# Altium PCB DIOT_8ch_isoSPI.PcbDoc (part 4 of 5)
Units mm, origin at the board's own origin, x right, y up, seen from the top; angles counter-clockwise.
Board outline 222.37 x 100 mm, 4 copper layers (L1, P2, P3, L4), stack 1.512 mm thick; 416 components, 332 nets, 1541 pads, 671 vias.
Unrouted connection lines stored in the file: 9.
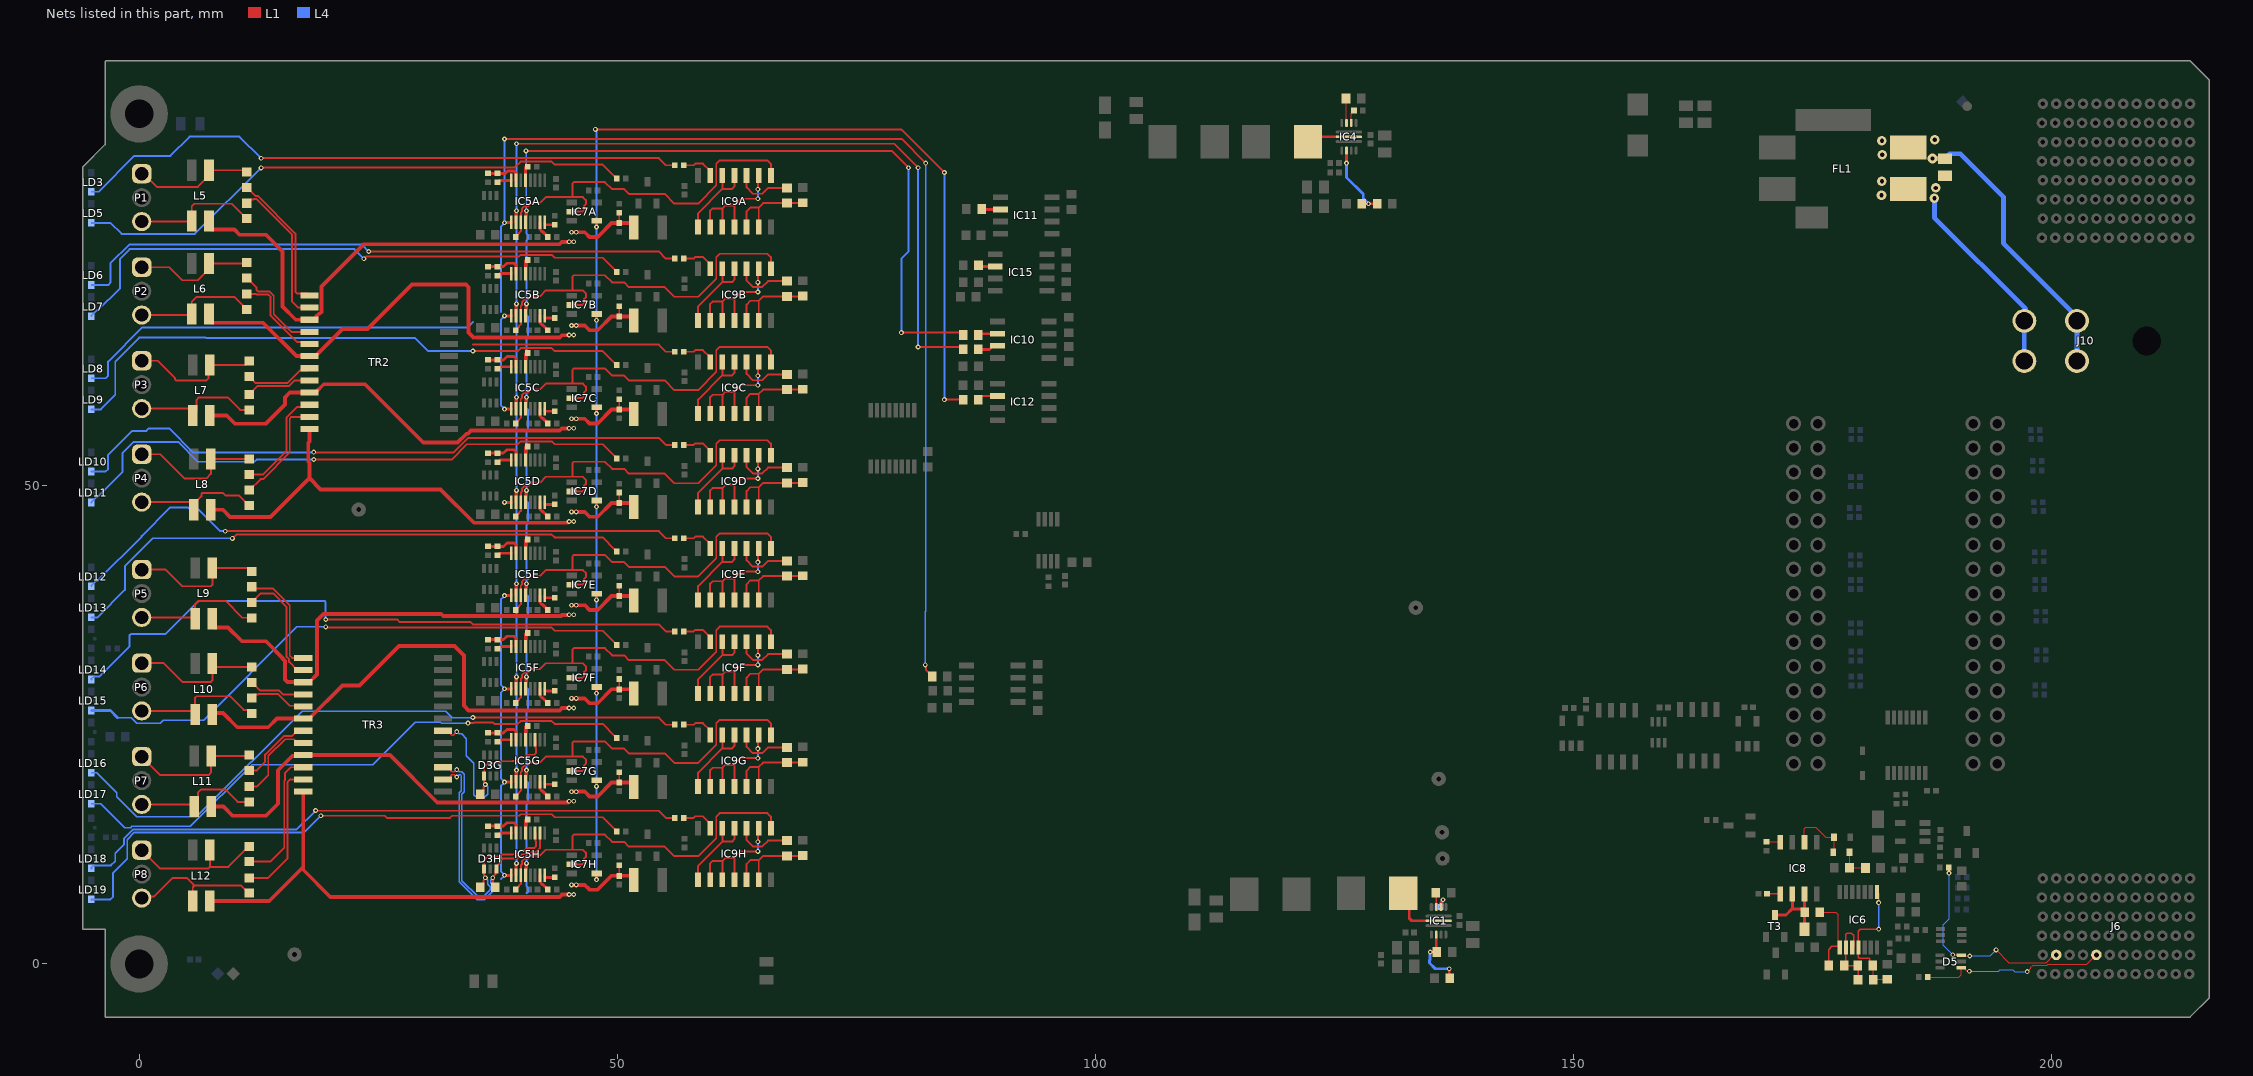
[diagram p6: the nets of this part, all layers, seen from the top]

## Via types
v1: diameter 0.5, hole 0.25, L1 to L4, tented both sides, 642 vias
v2: diameter 1, hole 0.45, L1 to L4, tented both sides, 26 vias
v3: diameter 1.27, hole 0.711, L1 to L4, tented both sides, 3 vias

## Nets (pads, with @x,y where several pads share a name; then routed paths per layer and width w, separated by ;. In a path a pad name is that pad's centre, name@x,y a point inside that pad or via, vN(x,y) a via of type N, cw(c..) or ccw(c..) an arc to the next point about the centre after c; other vN are vias at no path point) (continued)
ISOG_P: D3G.1 IC5G.11 R13G.1 TR3.6 | length 22.7
  L1 w0.14: TR3.6@31.754,24.385 32.347,24.385 32.597,24.135 32.597,23.982 32.679,23.9 32.836,23.9 33.204,24.268 v1(33.204,24.295)
  L1 w0.2: R13G.1@35.654,17.77 36.004,18.12 36.004,18.46 36.054,18.51 D3G.1@36.054,19.67 36.084,19.7 36.084,20.595 36.486,20.997 37.627,20.997 37.827,21.197 39.032,21.197 39.059,21.224 39.455,21.224 39.882,21.651 40.377,21.651 40.6,21.874 41.303,21.874 41.481,22.052 41.481,22.58 41.456,22.605 41.456,23.397 IC5G.11@41.406,23.447
  L4 w0.14: v1(33.204,24.295) 33.229,24.295 33.466,24.058 33.741,24.058 34.226,23.573 34.226,21.748 35.004,20.97 35.004,17.72 35.404,17.32 36.004,17.32 36.441,17.757 36.441,18.508 36.204,18.745 v1(36.204,18.77)
ISOH_N: D3H.3 IC5H.10 R13H.2 TR3.2 | length 29.4
  L1 w0.14: TR3.2@31.754,19.305 32.347,19.305 32.597,19.555 32.597,19.708 32.679,19.79 32.942,19.79 33.179,19.553 v1(33.204,19.553)
  L1 w0.2: R13H.2@37.254,8.02 36.979,8.295 36.979,9.101 37.254,9.376 37.254,9.82 D3H.3@37.354,9.92 37.354,10.195 37.704,10.545 37.704,10.72 38.004,11.02 39.209,11.02 39.236,11.047 39.632,11.047 40.059,11.474 40.554,11.474 40.777,11.697 41.48,11.697 41.908,12.125 41.908,13.695 IC5H.10@41.906,13.697
  L4 w0.14: v1(33.204,19.553) 33.229,19.553 33.466,19.79 33.617,19.79 33.699,19.708 33.699,18.139 33.454,17.894 33.454,8.596 35.33,6.72 36.088,6.72 36.992,7.624 36.992,8.189 36.741,8.439 36.741,8.758 36.979,8.995 v1(36.979,9.02)
ISOH_P: D3H.1 IC5H.11 R13H.1 TR3.3 | length 29.9
  L1 w0.14: TR3.3@31.754,20.575 32.347,20.575 32.597,20.325 32.597,20.172 32.679,20.09 32.942,20.09 33.179,20.328 v1(33.204,20.328)
  L1 w0.2: R13H.1@35.654,8.02 36.004,8.37 36.004,8.71 36.054,8.76 D3H.1@36.054,9.92 36.084,9.95 36.084,10.845 36.486,11.247 37.627,11.247 37.827,11.447 39.032,11.447 39.059,11.474 39.455,11.474 39.882,11.901 40.377,11.901 40.6,12.124 41.303,12.124 41.481,12.302 41.481,12.83 41.456,12.855 41.456,13.647 IC5H.11@41.406,13.697
  L4 w0.14: v1(33.204,20.328) 33.229,20.328 33.466,20.09 33.741,20.09 33.999,19.832 33.999,18.015 33.754,17.77 33.754,8.72 35.454,7.02 35.963,7.02 36.692,7.748 36.692,8.064 36.441,8.314 36.441,8.758 36.204,8.995 v1(36.204,9.02)
LEDG0: LD3.2 R22A.2 | length 64.6
  L1 w0.2: v1(12.75,84.25) 12.77,84.27 54.339,84.27 55.089,83.52 R22A.2@55.984,83.52
  L4 w0.2: LD3.2@-5,80.75 -4.25,80.75 -0.5,84.5 3.254,84.5 5.274,86.52 10.48,86.52 v1(12.75,84.25)
LEDG1: LD6.2 R22B.2 | length 64.5
  L1 w0.2: v1(24,74.5) 24.02,74.52 54.339,74.52 55.089,73.77 R22B.2@55.984,73.77
  L4 w0.2: LD6.2@-5,71 -3.25,71 -3,71.25 -3,73.25 -1,75.25 23.25,75.25 v1(24,74.5)
LEDG2: LD8.2 R22C.2 | length 64.6
  L1 w0.2: 34.898,64.77 54.339,64.77 55.089,64.02 R22C.2@55.984,64.02
  L4 w0.2: LD8.2@-5,61.25 -3.5,61.25 -3.25,61.5 -3.25,63 0.308,66.558 34.335,66.558 34.898,67.122
LEDG3: LD10.2 R22D.2 | length 65.7
  L1 w0.2: v1(18.25,53.525) 18.275,53.5 32.884,53.5 34.404,55.02 34.898,55.02 54.339,55.02 55.089,54.27 R22D.2@55.984,54.27
  L4 w0.2: LD10.2@-5,51.5 -3.5,51.5 -3.25,51.75 -3.25,53.25 -0.75,55.75 0.75,55.75 1,56 3.126,56 5.626,53.5 18.225,53.5 v1(18.25,53.525)
LEDG4: LD12.2 R22E.2 | length 65.8
  L1 w0.2: v1(9,45.25) 9.02,45.27 54.339,45.27 55.089,44.52 R22E.2@55.984,44.52
  L4 w0.2: LD12.2@-5,39.5 -5,39.55 -4.485,40.065 -4.364,40.065 0.25,44.679 0.25,44.75 3.25,47.75 5.099,47.75 5.329,47.52 6.21,47.52 8.45,45.28 8.97,45.28 v1(9,45.25)
LEDG5: LD14.2 R22F.2 | length 67.5
  L1 w0.2: v1(19.5,36.025) 26.987,36.025 27.262,35.75 34.668,35.75 34.898,35.52 54.339,35.52 55.089,34.77 R22F.2@55.984,34.77
  L4 w0.2: LD14.2@-5,29.75 -5,29.8 -4.75,30.05 -4.2,30.05 -1,33.25 -1,34.383 -0.883,34.5 2.75,34.5 6.217,37.967 19.383,37.967 19.5,37.85 v1(19.5,36.025)
LEDG6: LD16.2 R22G.2 | length 68.6
  L1 w0.2: v1(34.898,25.77) 54.339,25.77 55.089,25.02 R22G.2@55.984,25.02
  L4 w0.15: LD16.2@-5,20 -4.425,20 -2.343,17.918 -2.343,17.484 -0.261,15.402 5.975,15.402 11.702,21.129 11.768,21.129 17.077,26.438 32.062,26.438 32.73,25.77 v1(34.898,25.77)
  L4 w0.2: 32.5,26 32.73,25.77
LEDG7: LD18.2 R22H.2 | length 64.7
  L1 w0.2: v1(18.452,16.048) 18.48,16.02 54.339,16.02 55.089,15.27 R22H.2@55.984,15.27
  L4 w0.2: LD18.2@-5,10 -5,10.05 -4.75,10.3 -2.95,10.3 -2.5,10.75 -2.5,11.574 -1.577,12.497 -1.577,13.135 -0.635,14.077 16.481,14.077 v1(18.452,16.048)
LEDR0: LD5.2 R21A.1 | length 59.3
  L1 w0.2: v1(12.75,83.25) 12.801,83.301 39.276,83.301 39.88,83.905 43.124,83.905 43.433,83.597 48.474,83.597 49.738,82.333 49.758,82.333 49.948,82.143 R21A.1@49.948,82.123
  L4 w0.2: LD5.2@-5,77.5 -3,77.5 -1.837,76.337 5.837,76.337 v1(12.75,83.25)
LEDR1: LD7.2 R21B.1 | length 61
  L1 w0.2: v1(23.5,73.75) 23.517,73.75 23.767,74 39.725,74 39.88,74.155 43.124,74.155 43.433,73.847 48.474,73.847 49.738,72.583 49.758,72.583 49.948,72.393 R21B.1@49.948,72.373
  L4 w0.2: LD7.2@-5,67.75 -5,67.8 -4.485,68.315 -4.364,68.315 -2,70.679 -2,73.75 -1,74.75 22.5,74.75 v1(23.5,73.75)
LEDR2: LD9.2 R21C.1 | length 61.6
  L1 w0.2: v1(34.898,64.097) 39.572,64.097 39.88,64.405 43.124,64.405 43.433,64.097 48.474,64.097 49.738,62.833 49.758,62.833 49.948,62.643 R21C.1@49.948,62.623
  L4 w0.2: LD9.2@-5,58 -4,58 -2.5,59.5 -2.5,63 0,65.5 6.94,65.5 6.997,65.443 28.874,65.443 30.22,64.097 v1(34.898,64.097)
LEDR3: LD11.2 R21D.1 | length 65.9
  L1 w0.2: v1(18.25,52.75) 32.684,52.75 34.281,54.347 34.898,54.347 ; R21D.1@49.948,52.873 49.948,52.893 49.758,53.083 49.738,53.083 48.474,54.347 43.433,54.347 43.124,54.655 39.88,54.655 39.572,54.347 ; 34.898,54.347 39.572,54.347 ; 34.898,54.347 39.572,54.347
  L4 w0.2: LD11.2@-5,48.25 -5,48.3 -4.485,48.815 -4.364,48.815 -1.75,51.429 -1.75,53.414 -0.564,54.6 4.063,54.6 6.143,52.52 12.041,52.52 12.271,52.75 v1(18.25,52.75)
LEDR4: LD13.2 R21E.1 | length 60.8
  L1 w0.2: v1(9.75,44.5) 10.155,44.905 43.124,44.905 43.433,44.597 48.474,44.597 49.738,43.333 49.758,43.333 49.948,43.143 R21E.1@49.948,43.123
  L4 w0.2: LD13.2@-5,36.25 -4.35,36.25 -1.493,39.107 -1.493,41.606 1.421,44.52 9.73,44.52 v1(9.75,44.5)
LEDR5: LD15.2 R21F.1 | length 60.5
  L1 w0.2: v1(19.5,35.25) 19.557,35.193 43.086,35.193 43.433,34.847 48.474,34.847 49.738,33.583 49.758,33.583 49.948,33.393 R21F.1@49.948,33.373
  L4 w0.15: -2.25,25.75 -0.83,25.75 -0.261,25.181 2.181,25.181 2.5,25.5 6.75,25.5 16.5,35.25 v1(19.5,35.25)
  L4 w0.3: LD15.2@-5,26.5 -3,26.5 -2.25,25.75
LEDR6: LD17.2 R21G.1 | length 61.6
  L1 w0.2: v1(34.383,25.191) 34.954,25.191 35.033,25.27 36.967,25.27 37.14,25.097 39.572,25.097 39.88,25.405 43.124,25.405 43.433,25.097 48.474,25.097 49.738,23.833 49.758,23.833 49.948,23.643 R21G.1@49.948,23.623
  L4 w0.15: LD17.2@-5,16.75 -4,16.75 -1.5,14.25 -0.89,14.25 -0.761,14.379 5.344,14.379 11.817,20.852 24.427,20.852 28.846,25.27 31.528,25.27 31.607,25.191 v1(34.383,25.191)
LEDR7: LD19.2 R21H.1 | length 62.3
  L1 w0.2: v1(19,15.5) 25.671,15.5 25.901,15.27 32.491,15.27 32.721,15.5 39.725,15.5 39.88,15.655 43.124,15.655 43.433,15.347 48.474,15.347 49.738,14.083 49.758,14.083 49.948,13.893 R21H.1@49.948,13.873
  L4 w0.2: LD19.2@-5,6.7 LD19.2@-5,6.75 -3,6.75 -2.75,7 -2.75,9.5 -1.25,11 -1.25,13 -0.5,13.75 17.25,13.75 v1(19,15.5)
NetC2_2: C2.2 IC4.9 | length 1.4
  L1 w0.125: IC4.9@126.75,87.95 126.75,88.95 C2.2@127.05,89.25
NetC8_2: C8.2 IC8.6 IC8.7 R35.2 T3.3 | length 8.7
  L1 w0.3: T3.3@171.069,5.112 172.219,5.112 172.872,5.766 ; IC8.6@172.872,7.333 172.872,5.766 ; C8.2@174.131,3.632 174.131,5.386 R35.2@174.155,5.41 174.155,5.46 R35.2@174.142,5.473 ; IC8.7@174.142,7.333 R35.2@174.142,5.473 ; 172.872,5.766 173.8,5.766 173.805,5.76 173.855,5.76 R35.2@174.142,5.473
NetC11_2: C11.2 IC8.5 | length 1.4
  L1 w0.14: C11.2@170.216,7.341 171.595,7.341 IC8.5@171.602,7.333
NetC12_2: C12.2 D2.1 R39.2 | length 3.3
  L1 w0.125: R39.2@178.853,10.059 D2.1@178.853,11.684 ; R39.2@178.854,10.058 180.48,10.058 C12.2@180.505,10.033
NetC18A_1: C18A.1 IC9A.10 | length 6
  L1 w0.2: IC9A.10@63.52,82.45 63.52,81.204 64.181,80.543 65.144,80.543 65.758,81.157 C18A.1@67.741,81.157
NetC18A_2: C18A.2 IC9A.5 IC9A.6 R23A.1 | length 9.9
  L1 w0.2: IC9A.5@63.52,77.05 63.52,78.704 63.919,79.103 64.787,79.103 ; IC9A.6@64.79,77.05 64.79,78.412 64.787,78.415 64.787,79.103 ; R23A.1@69.392,79.595 69.354,79.557 C18A.2@67.741,79.557 65.241,79.557 64.787,79.103
NetC18B_1: C18B.1 IC9B.10 | length 6
  L1 w0.2: IC9B.10@63.52,72.7 63.52,71.454 64.181,70.793 65.144,70.793 65.758,71.407 C18B.1@67.741,71.407
NetC18B_2: C18B.2 IC9B.5 IC9B.6 R23B.1 | length 9.9
  L1 w0.2: IC9B.5@63.52,67.3 63.52,68.954 63.919,69.353 64.787,69.353 ; IC9B.6@64.79,67.3 64.79,68.662 64.787,68.665 64.787,69.353 ; R23B.1@69.392,69.845 69.354,69.807 C18B.2@67.741,69.807 65.241,69.807 64.787,69.353
NetC18C_1: C18C.1 IC9C.10 | length 6
  L1 w0.2: IC9C.10@63.52,62.95 63.52,61.704 64.181,61.043 65.144,61.043 65.758,61.657 C18C.1@67.741,61.657
NetC18C_2: C18C.2 IC9C.5 IC9C.6 R23C.1 | length 9.9
  L1 w0.2: IC9C.5@63.52,57.55 63.52,59.204 63.919,59.603 64.787,59.603 ; IC9C.6@64.79,57.55 64.79,58.912 64.787,58.916 64.787,59.603 ; R23C.1@69.392,60.095 69.354,60.057 C18C.2@67.741,60.057 65.241,60.057 64.787,59.603
NetC18D_1: C18D.1 IC9D.10 | length 6
  L1 w0.2: IC9D.10@63.52,53.2 63.52,51.954 64.181,51.293 65.144,51.293 65.758,51.907 C18D.1@67.741,51.907
NetC18D_2: C18D.2 IC9D.5 IC9D.6 R23D.1 | length 9.9
  L1 w0.2: IC9D.5@63.52,47.8 63.52,49.454 63.919,49.853 64.787,49.853 ; IC9D.6@64.79,47.8 64.79,49.162 64.787,49.165 64.787,49.853 ; R23D.1@69.392,50.345 69.354,50.307 C18D.2@67.741,50.307 65.241,50.307 64.787,49.853
NetC18E_1: C18E.1 IC9E.10 | length 6
  L1 w0.2: IC9E.10@63.52,43.45 63.52,42.204 64.181,41.543 65.144,41.543 65.758,42.157 C18E.1@67.741,42.157
NetC18E_2: C18E.2 IC9E.5 IC9E.6 R23E.1 | length 9.9
  L1 w0.2: IC9E.5@63.52,38.05 63.52,39.704 63.919,40.103 64.787,40.103 ; IC9E.6@64.79,38.05 64.79,39.412 64.787,39.415 64.787,40.103 ; R23E.1@69.392,40.595 69.354,40.557 C18E.2@67.741,40.557 65.241,40.557 64.787,40.103
NetC18F_1: C18F.1 IC9F.10 | length 6
  L1 w0.2: IC9F.10@63.52,33.7 63.52,32.454 64.181,31.793 65.144,31.793 65.758,32.407 C18F.1@67.741,32.407
NetC18F_2: C18F.2 IC9F.5 IC9F.6 R23F.1 | length 9.9
  L1 w0.2: IC9F.5@63.52,28.3 63.52,29.954 63.919,30.353 64.787,30.353 ; IC9F.6@64.79,28.3 64.79,29.662 64.787,29.666 64.787,30.353 ; R23F.1@69.392,30.845 69.354,30.807 C18F.2@67.741,30.807 65.241,30.807 64.787,30.353
NetC18G_1: C18G.1 IC9G.10 | length 6
  L1 w0.2: IC9G.10@63.52,23.95 63.52,22.704 64.181,22.043 65.144,22.043 65.758,22.657 C18G.1@67.741,22.657
NetC18G_2: C18G.2 IC9G.5 IC9G.6 R23G.1 | length 9.9
  L1 w0.2: IC9G.5@63.52,18.55 63.52,20.204 63.919,20.603 64.787,20.603 ; IC9G.6@64.79,18.55 64.79,19.912 64.787,19.915 64.787,20.603 ; R23G.1@69.392,21.095 69.354,21.057 C18G.2@67.741,21.057 65.241,21.057 64.787,20.603
NetC18H_1: C18H.1 IC9H.10 | length 6
  L1 w0.2: IC9H.10@63.52,14.2 63.52,12.954 64.181,12.293 65.144,12.293 65.758,12.907 C18H.1@67.741,12.907
NetC18H_2: C18H.2 IC9H.5 IC9H.6 R23H.1 | length 9.9
  L1 w0.2: IC9H.5@63.52,8.8 63.52,10.454 63.919,10.853 64.787,10.853 ; IC9H.6@64.79,8.8 64.79,10.162 64.787,10.165 64.787,10.853 ; R23H.1@69.392,11.345 69.354,11.307 C18H.2@67.741,11.307 65.241,11.307 64.787,10.853
NetC25A_2: C25A.2 F1A.1 L5.1 R20A.2 TR2.15 | length 59.9
  L1 w0.2: C25A.2@50.204,77.47 R20A.2@50.204,78.55 ; F1A.1@51.704,77.02 F1A.1@51.704,77.07
  L1 w0.4: L5.1@7.3,77.7 7.3,77.1 7.6,76.8 9.95,76.8 10.5,76.25 13.25,76.25 15,74.5 15,68.75 16.38,67.37 18.434,67.37 18.554,67.49 18.554,67.759 18.788,67.993 18.889,67.993 19.081,68.185 19.081,70.831 23.52,75.27 43.986,75.27 44.217,75.501 44.935,75.501 v1(44.954,75.52) v1(45.454,75.52) ; v1(45.204,76.52) v1(45.704,76.52) ; v1(45.704,76.52) 46.593,76.52 47.093,76.02 47.954,76.02 49.404,77.47 C25A.2@50.204,77.47 51.404,77.47 51.704,77.17 F1A.1@51.704,77.02
NetC25B_2: C25B.2 F1B.1 L6.1 R20B.2 TR2.18 | length 56.4
  L1 w0.2: C25B.2@50.204,67.72 R20B.2@50.204,68.8 ; F1B.1@51.704,67.27 F1B.1@51.704,67.32
  L1 w0.4: L6.1@7.3,67.95 7.3,67.35 7.6,67.05 12.95,67.05 16.44,63.56 TR2.18@17.804,63.56 18.434,63.56 21.27,66.396 23.881,66.396 28.523,71.037 34.187,71.037 34.454,70.77 34.454,66.02 34.954,65.52 ; 35.242,65.52 43.986,65.52 44.217,65.751 v1@44.935,65.751 ; v1(45.204,66.77) v1(45.704,66.77) ; v1(45.704,66.77) 46.593,66.77 47.093,66.27 47.954,66.27 49.404,67.72 C25B.2@50.204,67.72 51.404,67.72 51.704,67.42 F1B.1@51.704,67.32
  other v1: 44.954,65.77 45.454,65.77
NetC25C_2: C25C.2 F1C.1 L7.1 R20C.2 TR2.21 | length 51.8
  L1 w0.2: C25C.2@50.204,57.97 R20C.2@50.204,59.05 ; F1C.1@51.704,57.52 F1C.1@51.704,57.57
  L1 w0.4: L7.1@7.4,57.35 9.15,57.35 10,56.5 13.25,56.5 15.25,58.5 15.25,59.25 15.75,59.75 TR2.21@17.804,59.75 18.434,59.75 19.308,60.624 23.6,60.624 29.704,54.52 33.3,54.52 34.227,55.447 34.381,55.447 34.704,55.77 43.986,55.77 44.217,56.001 v1@44.935,56.001 ; v1(45.204,57.02) v1@45.704,57.02 ; v1(45.704,57.02) 46.593,57.02 47.093,56.52 47.954,56.52 49.404,57.97 C25C.2@50.204,57.97 51.404,57.97 51.704,57.67 F1C.1@51.704,57.57
  other v1: 44.954,56.02 45.454,56.02
NetC25D_2: C25D.2 F1D.1 L8.1 R20D.2 TR2.24 | length 55.3
  L1 w0.2: C25D.2@50.204,48.22 R20D.2@50.204,49.3 ; F1D.1@51.704,47.77 F1D.1@51.704,47.82
  L1 w0.4: L8.1@7.5,47.5 8.75,47.5 9.5,46.75 13.75,46.75 17.804,50.804 ; TR2.24@17.804,55.94 17.804,54.606 17.673,54.475 17.673,52.511 17.804,52.38 17.804,50.804 ; v1@44.935,46.251 44.908,46.251 44.79,46.133 35.025,46.133 31.527,49.631 18.977,49.631 17.804,50.804 ; v1(45.204,47.27) v1(45.704,47.27) ; v1(45.704,47.27) 46.593,47.27 47.093,46.77 47.954,46.77 49.404,48.22 C25D.2@50.204,48.22 51.404,48.22 51.704,47.92 F1D.1@51.704,47.82
  other v1: 44.954,46.27 45.454,46.27
NetC25E_2: C25E.2 F1E.1 L9.1 R20E.2 TR3.15 | length 56.7
  L1 w0.2: C25E.2@50.204,38.47 R20E.2@50.204,39.55 ; F1E.1@51.704,38.02 F1E.1@51.704,38.07
  L1 w0.4: L9.1@7.65,36.1 7.65,35.5 7.95,35.2 9.3,35.2 10.75,33.75 13.25,33.75 14.996,32.004 14.996,31.938 15.25,31.684 15.25,29.75 15.5,29.5 17.119,29.5 TR3.15@17.154,29.465 17.784,29.465 18.583,30.264 18.583,35.924 19.261,36.602 31.571,36.602 31.79,36.383 44.099,36.383 44.217,36.501 v1@44.935,36.501 ; v1(45.204,37.52) v1(45.704,37.52) ; v1(45.704,37.52) 46.593,37.52 47.093,37.02 47.954,37.02 49.404,38.47 C25E.2@50.204,38.47 51.404,38.47 51.704,38.17 F1E.1@51.704,38.02
  other v1: 44.954,36.52 45.454,36.52
NetC25F_2: C25F.2 F1F.1 L10.1 R20F.2 TR3.18 | length 56.1
  L1 w0.2: C25F.2@50.204,28.72 R20F.2@50.204,29.8 ; F1F.1@51.704,28.27 F1F.1@51.704,28.32
  L1 w0.4: L10.1@7.65,26.1 7.65,26.15 7.75,26.25 8.75,26.25 10.25,24.75 13.5,24.75 14.405,25.655 TR3.18@17.154,25.655 17.784,25.655 21.245,29.116 23.05,29.116 27.17,33.236 32.988,33.236 33.954,32.27 33.954,27.02 34.454,26.52 43.986,26.52 44.217,26.751 v1@44.935,26.751 ; v1(45.204,27.77) v1(45.704,27.77) ; v1(45.704,27.77) 46.593,27.77 47.093,27.27 47.954,27.27 49.404,28.72 C25F.2@50.204,28.72 51.404,28.72 51.704,28.42 F1F.1@51.704,28.32
  other v1: 44.954,26.77 45.454,26.77
NetC25G_2: C25G.2 F1G.1 L11.1 R20G.2 TR3.21 | length 53.3
  L1 w0.2: C25G.2@50.204,18.97 R20G.2@50.204,20.05 ; F1G.1@51.704,18.52 F1G.1@51.704,18.57
  L1 w0.4: L11.1@7.55,16.45 8.8,16.45 9.75,15.5 13.25,15.5 14.5,16.75 14.5,20.25 16,21.75 17.059,21.75 TR3.21@17.154,21.845 26.212,21.845 31.174,16.883 44.79,16.883 44.908,17.001 v1@44.935,17.001 ; v1(45.204,18.02) v1(45.704,18.02) ; v1(45.704,18.02) 46.593,18.02 47.093,17.52 47.954,17.52 49.404,18.97 C25G.2@50.204,18.97 51.404,18.97 51.704,18.67 F1G.1@51.704,18.52
  other v1: 44.954,17.02 45.454,17.02
NetC25H_2: C25H.2 F1H.1 L12.1 R20H.2 TR3.24 | length 57.1
  L1 w0.2: C25H.2@50.204,9.22 R20H.2@50.204,10.3 ; F1H.1@51.704,8.77 F1H.1@51.704,8.82
  L1 w0.4: L12.1@7.4,6.6 9.917,6.6 9.919,6.598 13.598,6.598 17.154,10.154 ; TR3.24@17.154,18.035 17.154,10.154 ; v1@44.935,7.251 44.217,7.251 43.986,7.02 19.98,7.02 17.154,9.846 17.154,10.154 ; v1(45.204,8.27) v1(45.704,8.27) ; v1(45.704,8.27) 46.593,8.27 47.093,7.77 47.954,7.77 49.404,9.22 C25H.2@50.204,9.22 51.404,9.22 51.704,8.92 F1H.1@51.704,8.82
  other v1: 44.954,7.27 45.454,7.27
NetC28_1: C28.1 L5.2 P1.1 | length 12.7
  L1 w0.2: P1.1@0.267,82.637 0.47,82.637 1.857,81.25 6.15,81.25 7.3,82.4 L5.2@7.3,83 11.05,83 C28.1@11.25,82.8
NetC28_2: C28.2 TR2.13 | length 14.8
  L1 w0.2: C28.2@11.25,81.2 11.275,81.2 12.148,80.327 12.385,80.327 16.327,76.385 16.327,70.29 16.487,70.13 17.584,70.13 TR2.13@17.804,69.91
NetC29_1: C29.1 L5.4 P1.3 | length 13.3
  L1 w0.2: P1.3@0.267,77.637 5.437,77.637 L5.4@5.5,77.7 5.5,79.25 5.75,79.5 9.675,79.5 11.225,77.95 C29.1@11.25,77.95
NetC29_2: C29.2 TR2.14 | length 15.5
  L1 w0.2: C29.2@11.25,79.55 11.625,79.925 11.925,79.925 12,80 12.25,80 16,76.25 16,69.25 16.61,68.64 TR2.14@17.804,68.64
NetC30_1: C30.1 L6.2 P2.1 | length 12.7
  L1 w0.2: P2.1@0.267,72.858 3.148,72.858 4.506,71.5 6.15,71.5 7.3,72.65 L6.2@7.3,73.25 11.15,73.25 C30.1@11.25,73.35
NetC30_2: C30.2 TR2.16 | length 10.2
  L1 w0.2: C30.2@11.25,71.75 11.275,71.75 11.65,71.375 11.65,71.35 12.25,70.75 12.25,70.5 12.432,70.318 13.645,70.318 14.077,69.885 14.077,67.923 15.9,66.1 TR2.16@17.804,66.1
NetC31_1: C31.1 L6.4 P2.3 | length 13.1
  L1 w0.2: P2.3@0.267,67.858 5.408,67.858 L6.4@5.5,67.95 5.5,69.25 6,69.75 9.925,69.75 11.225,68.45 C31.1@11.25,68.45
NetC31_2: C31.2 TR2.17 | length 9.9
  L1 w0.2: C31.2@11.25,70.05 12.238,70.05 12.297,69.991 13.509,69.991 13.75,69.75 13.75,67.788 16.488,65.05 17.584,65.05 TR2.17@17.804,64.83
NetC32_1: C32.1 L7.2 P3.1 | length 13.7
  L1 w0.2: P3.1@0.267,63.079 1.921,63.079 3.75,61.25 3.75,61.117 3.844,61.023 7.023,61.023 7.25,61.25 7.25,62.5 L7.2@7.4,62.65 11.075,62.65 11.475,63.05 C32.1@11.5,63.05
NetC32_2: C32.2 TR2.19 | length 7.2
  L1 w0.2: C32.2@11.5,61.45 12.2,60.75 15.5,60.75 16.82,62.07 17.584,62.07 TR2.19@17.804,62.29
NetC33_1: C33.1 L7.4 P3.3 | length 13.8
  L1 w0.2: P3.3@0.267,58.079 5.2,58.079 5.6,57.679 L7.4@5.6,57.35 6,57.75 6,59 6.25,59.25 9.25,59.25 10.55,57.95 C33.1@11.5,57.95
NetC33_2: C33.2 TR2.20 | length 6.9
  L1 w0.2: C33.2@11.5,59.55 11.525,59.55 11.9,59.925 11.9,59.95 12.373,60.423 15.635,60.423 16.212,61 17.784,61 TR2.20@17.804,61.02
NetC34_1: C34.1 L8.2 P4.1 | length 14
  L1 w0.2: P4.1@0.267,53.3 2.2,53.3 4.75,50.75 7,50.75 7.5,51.25 L8.2@7.5,52.8 C34.1@11.5,52.8
NetC34_2: C34.2 TR2.22 | length 11.4
  L1 w0.2: C34.2@11.5,51.2 12.95,51.2 15.423,53.673 15.423,57.173 15.787,57.537 16.51,58.26 17.584,58.26 TR2.22@17.804,58.48
NetC35_1: C35.1 L8.4 P4.3 | length 13.1
  L1 w0.2: P4.3@0.267,48.3 5.3,48.3 L8.4@5.7,47.9 ; L8.4@5.7,47.5 5.7,48.1 6.5,48.9 6.5,49.133 6.617,49.25 8.75,49.25 9,49 10.425,49 11.475,47.95 C35.1@11.5,47.95
NetC35_2: C35.2 TR2.23 | length 11.5
  L1 w0.2: C35.2@11.5,49.55 11.525,49.55 12.688,50.713 12.963,50.713 15.75,53.5 15.75,57.038 15.922,57.21 TR2.23@17.804,57.21
NetC36_1: C36.1 L9.2 P5.1 | length 14.2
  L1 w0.2: P5.1@0.267,41.235 2.765,41.235 4.5,39.5 7.5,39.5 7.65,39.65 L9.2@7.65,41.4 11.4,41.4 C36.1@11.75,41.05
NetC36_2: C36.2 TR3.13 | length 11.6
  L1 w0.2: C36.2@11.75,39.45 11.95,39.25 14,39.25 15.75,37.5 15.75,32.25 15.995,32.005 TR3.13@17.154,32.005
NetC37_1: C37.1 L9.4 P5.3 | length 13.9
  L1 w0.2: P5.3@0.267,36.235 5.715,36.235 L9.4@5.85,36.1 5.85,37.6 6.217,37.967 9.033,37.967 10.8,36.2 C37.1@11.75,36.2
NetC37_2: C37.2 TR3.14 | length 12.3
  L1 w0.2: C37.2@11.75,37.8 11.775,37.8 12.725,38.75 14,38.75 15.423,37.327 15.423,32.115 15.677,31.861 15.677,31.582 16.524,30.735 TR3.14@17.154,30.735
NetC38_1: C38.1 L10.2 P6.1 | length 14.3
  L1 w0.2: P6.1@0.267,31.456 2.544,31.456 4.5,29.5 7.5,29.5 7.65,29.65 L10.2@7.65,31.4 8,31.05 C38.1@11.75,31.05
NetC38_2: C38.2 TR3.16 | length 5.9
  L1 w0.2: C38.2@11.75,29.45 11.775,29.45 12.648,28.577 14.635,28.577 15.017,28.195 TR3.16@17.154,28.195
NetC39_1: C39.1 L10.4 P6.3 | length 14.2
  L1 w0.2: P6.3@0.267,26.456 5.494,26.456 L10.4@5.85,26.1 5.85,27.5 5.833,27.517 5.833,27.833 6,28 9.5,28 10.925,26.575 11.375,26.575 C39.1@11.75,26.2
NetC39_2: C39.2 TR3.17 | length 6.1
  L1 w0.2: C39.2@11.75,27.8 12.125,28.175 12.425,28.175 12.5,28.25 14.5,28.25 15.75,27 17.079,27 TR3.17@17.154,26.925
NetC41_1: C41.1 L11.2 P7.1 | length 13.9
  L1 w0.2: P7.1@0.267,21.677 2.194,19.75 7.25,19.75 7.5,20 7.5,21.7 L11.2@7.55,21.75 11.4,21.75 C41.1@11.5,21.85
NetC41_2: C41.2 TR3.19 | length 7.8
  L1 w0.2: C41.2@11.5,20.25 12.3,20.25 13.173,21.123 13.173,21.885 15.115,23.827 15.966,23.827 16.524,24.385 TR3.19@17.154,24.385
NetC42_1: C42.1 L11.4 P7.3 | length 13.2